# KiCad board video-v10.kicad_pcb (continued)
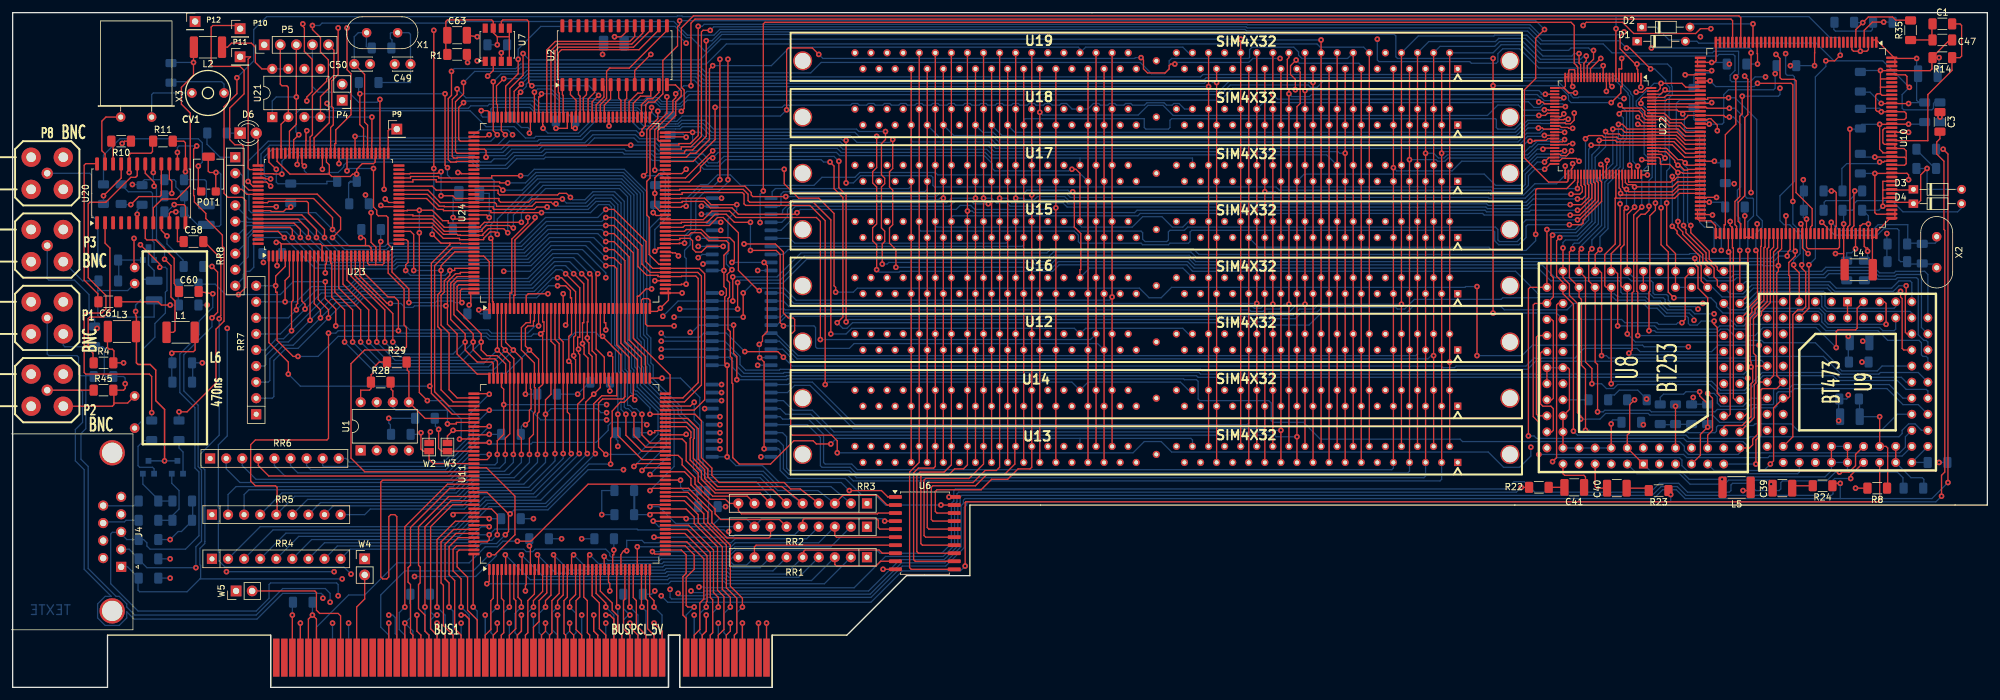
[diagram p0: board, top side]
## Routing (per net, layer and track width the routed paths; a pad name or vN(x,y) marks a point on that pad's centre or on a via; arc(x,y) is an arc through that point) (continued)
/DQ21: length 84.6
  top_copper w0.2: 85.06,49.35 85.06,46.33 84.2,45.47 v1(84.2,43.18) v1(84.2,36.83)
  In2.Cu w0.2: v1(93.85,43.43) 94.62,43.43 95.25,44.07 v1(109.35,44.07)
  Bottom w0.2: v1(84.2,43.18) 85.09,44.07 92.33,44.07 92.96,43.43 v1(93.85,43.43) ; 110.36,44.07 v1(109.35,44.07) ; v1(84.2,36.83) 84.2,35.56 80.77,32.13 73.03,32.13 70.61,29.72 46.61,29.72 RR5.6
/DQ22: length 104.6
  top_copper w0.2: v1(90.81,36.96) 90.55,37.21 90.55,45.08 v1(91.82,46.35) 92.86,47.4 92.86,49.35
  In2.Cu w0.2: v1(112.01,45.34) 112.78,45.34 113.03,45.59 113.03,48.39 112.78,48.64 105.16,48.64 104.01,49.78 93.09,49.78 92.84,49.53 92.84,47.37 v1(91.82,46.35)
  Bottom w0.2: 110.36,45.34 v1(112.01,45.34) ; v1(90.81,36.96) 83.44,29.59 74.8,29.59 70.1,24.89 41.15,24.89 RR4.3
/DQ23: length 91.7
  top_copper w0.2: 98.04,46.1 98.07,46.13 98.07,49.35 ; 98.04,46.1 98.04,45.85 98.3,45.59 v1(98.3,45.47) ; 98.04,46.1 97.66,46.1 96.65,45.08 96.01,45.08 94.74,43.69 94.74,39.62 94.49,39.37 v1(94.49,35.31)
  In2.Cu w0.2: v1(112.01,46.61) 99.95,46.61 98.81,45.47 v1(98.3,45.47)
  Bottom w0.2: v1(94.49,35.31) 91.06,35.31 84.33,28.57 75.31,28.57 70.61,23.88 45.21,23.88 RR4.5 ; 110.36,46.61 v1(112.01,46.61)
/DQ24: length 49.1
  top_copper w0.2: 139.32,28.83 138.18,28.83 136.65,30.35 131.19,30.35 RR3.3 ; 103.58,44.48 107.09,44.48 v1(107.7,45.08)
  Bottom w0.2: RR3.3 127.25,31.11 120.9,31.11 118.36,33.66 109.73,33.66 108.59,34.8 108.59,41.4 107.7,42.29 v1(107.7,45.08)
/DQ25: length 41.4
  top_copper w0.2: 139.32,27.56 136.78,27.56 136.65,27.43 115.19,27.43 114.68,27.94 RR3.9 113.28,29.08 112.65,29.72 110.24,29.72 107.82,32.13 107.82,33.15 105.79,35.18 105.79,36.07 105.16,36.68 103.58,36.68
/DQ26: length 44.5
  top_copper w0.2: 103.58,28.88 100.71,28.88 v1(100.71,28.57) ; 139.32,26.29 v1(137.8,26.29)
  Bottom w0.2: v1(137.8,26.29) 137.41,26.67 118.36,26.67 RR2.8 115.95,26.67 111.63,26.67 110.87,25.91 104.78,25.91 102.11,28.57 v1(100.71,28.57)
/DQ27: length 43.4
  top_copper w0.2: 139.32,25.02 137.03,25.02 136.78,25.27 136.78,26.42 136.53,26.67 125.09,26.67 124.84,26.42 RR2.5 ; v1(101.35,23.75) 101.35,23.67 103.58,23.67
  Bottom w0.2: v1(101.35,23.75) 113.79,23.75 114.17,24.13 123.57,24.13 RR2.5
/DQ28: length 47.5
  top_copper w0.2: RR2.3 129.92,24 130.18,23.75 139.32,23.75 ; 98.7,18.16 v1(98.7,22.22)
  Bottom w0.2: v1(98.7,22.22) 113.54,22.22 114.17,22.86 127.38,22.86 RR2.3
/DQ29: length 54.3
  top_copper w0.2: v1(91.19,20.95) 90.91,20.95 90.91,18.16 ; RR1.8 117.22,22.22 117.47,22.48 139.32,22.48
  Bottom w0.2: RR1.8 116,19.35 113.94,19.35 113.49,19.81 102.87,19.81 102.62,19.56 92.58,19.56 v1(91.19,20.95)
/DQ30: length 63.1
  top_copper w0.2: RR1.5 124.97,20.7 124.97,21.46 125.22,21.72 136.91,21.72 137.41,21.21 139.32,21.21 ; 83.11,18.16 83.11,20.95 v1(82.93,20.95)
  Bottom w0.2: RR1.5 122.17,17.91 113.28,17.91 112.9,18.29 103.38,18.29 103.12,18.03 85.85,18.03 v1(82.93,20.95)
/DQ31: length 69.3
  top_copper w0.2: RR1.3 129.92,19.43 130.18,19.18 136.4,19.18 137.16,19.94 139.32,19.94 ; v1(77.85,20.95) 77.9,20.95 77.9,18.16
  Bottom w0.2: v1(77.85,20.95) 81.79,17.02 103.5,17.02 103.76,17.27 112.52,17.27 112.9,16.89 126.24,16.89 RR1.3
/ESVIDEO-RVB/OE_RVB-: length 68.6
  top_copper w0.2: v1(243.33,35.69) 243.97,36.32 243.97,60.45 244.22,60.71 U8.57
  Bottom w0.2: U9.29 282.32,34.04 282.07,33.78 265.05,33.78 263.78,35.05 263.78,35.94 263.4,36.32 243.97,36.32 v1(243.33,35.69)
/ESVIDEO-RVB/REF+: length 32.9
  top_copper w0.2: U8.82 v1(252.6,41.66) ; U8.65 245.75,50.55 246,50.29 246,43.94 U8.71 U8.73 U8.76 ; U8.66 U8.64
  Bottom w0.2: U8.82 U8.80 U8.78 U8.76 ; v1(252.6,41.66) 252.6,42.04 252.86,42.29 254.13,42.29 254.13,41.91 ; U8.64 U8.65
/ESVIDEO-RVB/VAA: length 119.4
  top_copper w0.2: U9.34 U9.33 ; U8.44 U8.43 ; U9.1 U9.2 ; U8.1 U8.84 255.14,39.88 255.52,40.26 255.52,44.7 v1(256.29,45.47) ; v1(270.13,32.89) 270.13,31.62 ; U9.36 U9.35
  In2.Cu w0.2: U8.44 257.68,51.18 256.29,49.78 v1(256.29,45.47) ; U9.34 287.4,41.91 287.66,42.16 v1(288.54,42.16) ; U9.2 289.94,55.63 v1(290.07,55.5) v1(290.07,46.23)
  Bottom w0.2: U8.1 258.7,34.29 263.53,34.29 264.92,32.89 v1(270.13,32.89) 270.51,33.27 286.38,33.27 287.4,34.29 U9.33 U9.35 289.94,34.29 290.19,34.04 297.81,34.04 298.7,33.15 298.7,31.5 ; 255.02,45.47 v1(256.29,45.47) ; 290.07,51.43 v1(290.07,55.5) ; U9.34 U9.36 ; v1(288.54,42.16) 288.54,45.59 289.81,45.59 290.07,45.85 v1(290.07,46.23)
/F_PALIN: length 250.9
  top_copper w0.2: v1(113.03,80.26) v1(113.03,99.31) ; v1(106.43,63.75) 105.66,63.75 105.66,63.65 103.58,63.65 ; v1(278.64,100.08) 279.27,99.44 279.27,96.39 279.53,96.14 281.56,96.14 281.81,95.88 281.81,78.23 284.35,75.69 284.35,73.02 284.1,72.77 284.1,71.25
  In1.Cu w0.2: v1(278.64,100.08) 278.64,104.52 277.5,105.66 247.01,105.66 246.63,105.28 114.68,105.28 114.3,104.9 114.3,100.58 v1(113.03,99.31)
  Bottom w0.2: v1(106.43,63.75) 106.43,67.82 106.17,68.07 106.17,69.09 107.06,69.98 107.06,71.37 107.95,72.26 107.95,76.96 109.35,78.36 111.51,78.36 113.03,79.88 v1(113.03,80.26)
/graphic/14MHZOUT: length 30.5
  top_copper w0.2: 91.57,90.63 91.57,92.58 v1(92.58,93.6) ; 77.22,104.27 77.22,105.28 77.47,105.54 81.28,105.54 81.53,105.28 81.53,95.63 v1(82.04,95.12)
  Bottom w0.2: v1(82.04,95.12) 91.06,95.12 v1(92.58,93.6)
/graphic/CCLK: length 18.7
  top_copper w0.2: 42.44,84.33 42.44,85.54 42.42,85.57 42.42,89.03 U21.2 43.56,94.87 43.31,95.12 42.54,95.12 42.29,95.38 P5.2
/graphic/CLK10MHz: length 67
  top_copper w0.2: v1(68.71,82.17) 68.33,82.55 v1(68.33,93.85) ; 55.45,84.33 55.45,88.39 54.86,88.98 v1(54.86,93.85) ; v1(75.56,70.99) 75.82,70.74 75.82,60.96 75.95,60.96 75.95,59.44
  Bottom w0.2: v1(68.33,93.85) v1(54.86,93.85) 54.67,94.05 54.67,95.63 ; v1(75.56,70.99) 75.56,73.15 76.07,73.66 76.07,80.14 75.82,80.39 69.34,80.39 68.71,81.03 v1(68.71,82.17)
/graphic/CSIO-: length 43.6
  top_copper w0.2: 72.39,62.99 70.99,62.99 70.74,62.74 70.74,61.09 v1(70.99,60.83) ; v1(52.83,81.66) 52.83,84.33 ; v1(57.02,82.04) 57.02,75.95 57.53,75.44 57.53,74.8 57.79,74.55 59.05,74.55 59.31,74.29 59.31,70.1 59.94,69.47 59.94,65.66 62.61,62.99 v1(62.61,60.83)
  Bottom w0.2: v1(70.99,60.83) 69.85,60.83 69.6,61.09 67.06,61.09 66.8,60.83 v1(62.61,60.83) ; v1(57.02,82.04) 53.21,82.04 v1(52.83,81.66)
/graphic/DIN: length 24.3
  top_copper w0.2: P5.3 v1(44.83,93.34) 44.83,89.03 43.74,87.93 43.74,84.33
  Bottom w0.2: v1(44.83,93.34) 41.66,93.34 41.02,92.71 U21.1
/graphic/DONE: length 27.1
  top_copper w0.2: 58.04,84.33 v1(58.04,92.96)
  Bottom w0.2: P5.4 47.37,95 48.26,94.11 53.09,94.11 54.67,92.52 57.59,92.52 v1(58.04,92.96)
/graphic/HDOUT: length 49.1
  top_copper w0.2: v1(73.41,99.06) 74.55,99.06 74.68,98.93 ; 79.2,59.44 79.2,61.98 79.38,61.98 79.38,70.74 82.55,73.91 v1(82.55,74.29)
  In2.Cu w0.2: v1(73.41,99.06) 73.41,98.43 74.05,97.79 78.87,97.79 79.5,97.15 79.5,93.34 82.55,90.3 v1(82.55,74.29)
/graphic/HDREFOUT: length 46.4
  top_copper w0.2: v1(81.41,74.29) 81.41,73.41 78.87,70.87 78.87,62.36 78.56,62.36 78.56,59.44 ; v1(75.06,96.65) 75.95,97.53 U7.2
  In2.Cu w0.2: v1(75.06,96.65) 75.5,97.09 78.3,97.09 78.99,96.39 78.99,93.22 80.39,91.82 80.39,85.47 81.41,84.45 v1(81.41,74.29)
/graphic/IA0: length 5.2
  top_copper w0.2: 93.22,95.25 93.44,95.03 93.44,93.33 92.2,92.1 92.2,90.63
/graphic/IA1: length 5
  top_copper w0.2: 93.5,90.63 93.5,92.07 94.49,93.07 94.49,95.25
/graphic/IA2: length 4.8
  top_copper w0.2: 96.11,90.63 96.11,92.84 95.76,93.19 95.76,95.25
/graphic/IA3: length 4.7
  top_copper w0.2: 97.03,95.25 97.03,93.12 96.75,92.84 96.75,90.63
/graphic/IA4: length 5.9
  top_copper w0.2: 99.57,95.25 99.57,94.05 99.47,93.95 98.77,93.95 97.41,92.58 97.41,90.63
/graphic/IA5: length 6.7
  top_copper w0.2: 100.84,95.25 100.84,93.47 99.19,93.47 98.07,92.35 98.07,90.63
/graphic/IA6: length 6.2
  top_copper w0.2: 102.11,95.25 102.11,94.05 101.13,93.07 100.31,93.07 99.36,92.13 99.36,90.63
/graphic/IA7: length 13.9
  top_copper w0.2: 103.58,86.41 102.11,86.41 101.96,86.56 101.96,88.03 102.45,88.52 102.87,88.52 104.78,90.42 104.78,92.62 105.65,93.49 105.65,94.34 104.74,95.25 104.74,95.25 103.38,95.25
/graphic/IA8: length 20.2
  top_copper w0.2: 103.38,104.65 103.38,103.84 97.45,97.92 94.36,97.92 93.85,97.41 93.85,93.14 92.86,92.14 92.86,90.63
/graphic/IA9: length 5
  top_copper w0.2: 90.91,90.63 90.93,91.06 90.93,93.03 91.95,94.05 91.95,95.25
/graphic/ICAS-: length 27.2
  top_copper w0.2: 100.84,104.65 100.84,103.95 98.11,101.22 86.31,101.22 85.7,100.61 85.7,90.63
/graphic/ID0: length 4.7
  top_copper w0.2: 87,90.63 87,93.6 86.87,93.73 86.87,95.25
/graphic/ID1: length 5
  top_copper w0.2: 88.95,90.63 89.03,91.06 89.03,92.84 88.14,93.73 88.14,95.25
/graphic/ID2: length 26.9
  top_copper w0.2: 99.57,104.65 99.57,103.45 97.84,101.72 86.1,101.72 85.06,100.69 85.06,90.63
/graphic/ID3: length 26.7
  top_copper w0.2: 98.3,104.65 98.3,102.91 97.51,102.12 85.74,102.12 84.4,100.79 84.4,90.63
/graphic/IOE-: length 27.8
  top_copper w0.2: 86.36,90.63 86.36,93.95 86.23,94.07 86.23,100.33 86.72,100.82 98.98,100.82 102.11,103.95 102.11,104.65
/graphic/IRAS-: length 4.8
  top_copper w0.2: 90.25,90.63 90.17,91.44 90.17,93.22 90.68,93.73 90.68,95.25
/graphic/IWR-: length 4.7
  top_copper w0.2: 89.61,90.63 89.66,91.06 89.66,93.47 89.41,93.73 89.41,95.25
/graphic/LED: length 5.2
  top_copper w0.2: 38.76,82.5 38.76,87.35 D6.2
/graphic/PROG*: length 29.2
  top_copper w0.2: U21.4 48.64,93.4 50.02,94.78 50.02,96.05 50.76,96.79 50.76,100.75 P5.5 ; v1(56.77,90.17) 56.77,86.36 56.74,86.33 56.74,84.33
  Bottom w0.2: U21.3 U21.4 v1(56.77,90.17)
/graphic/RESERV1: length 83.3
  top_copper w0.2: v1(54.1,87.12) 54.1,84.33 54.15,84.33 ; 103.58,64.29 v1(101.47,64.29)
  In2.Cu w0.2: v1(78.99,87.38) 79.38,87.25 79.38,74.68 77.47,72.77 77.47,70.99 77.6,70.87 v1(77.6,65.79) ; v1(101.47,64.29) 100.33,64.29 98.93,62.89 93.98,62.89 93.73,63.14 v1(93.73,64.77)
  Bottom w0.2: v1(77.6,65.79) 81.79,65.79 85.22,69.21 90.04,69.21 93.73,65.53 v1(93.73,64.77) ; v1(78.99,87.38) 78.23,88.14 73.79,88.14 72.26,86.87 56.01,86.87 55.75,87.12 v1(54.1,87.12)
/graphic/VOSC: length 25.7
  top_copper w0.2: 76.58,102.87 78.49,102.87 ; 76.58,102.87 75.95,103.5 U7.7 ; 76.58,102.87 v1(76.58,101.6) ; 75.95,104.27 75.95,105.28 75.69,105.54 68.71,105.54 68.45,105.28 68.45,100.46 68.58,100.08 ; 78.49,98.93 78.49,104.27
  Bottom w0.2: 74.93,101.6 v1(76.58,101.6)
/graphic/X_DIN: length 51.4
  top_copper w0.2: v1(77.85,87.38) 77.22,88.01 77.22,90.55 ; v1(40.77,79.25) 40.13,79.88 39.12,79.88 38.86,79.91
  Bottom w0.2: v1(40.77,79.25) 39.24,80.77 39.24,84.33 40.64,85.72 76.58,85.72 77.85,86.99 v1(77.85,87.38)
/graphic/XTAL_I: length 24.7
  top_copper w0.2: C50.1 55.61,96.92 55.61,89.37 56.08,88.9 56.08,84.33
  Bottom w0.2: C50.1 53.98,102.87 54.61,103.5 X1.2 55.88,101.35 56.13,101.09 56.64,101.09
/GREEN_IN: length 424.5
  top_copper w0.2: v1(304.8,30.23) 304.8,33.53 305.31,34.04 305.31,72.26 305.18,72.39 305.18,83.18 304.04,84.33 304.04,86.23 304.55,86.74 304.55,87.76 ; v1(262,30.48) 262,31.11 261.75,31.11 ; P2.1 12.7,46.99
  In2.Cu w0.2: v1(103.89,15.49) 102.87,16.51 76.58,16.51 75.69,15.62 52.71,15.62 52.2,16.13 49.15,16.13 49.02,16 v1(49.02,14.1)
  Bottom w0.2: v1(304.8,30.23) 303.91,29.34 262,29.34 ; 262,29.34 v1(262,30.48) ; 262,29.34 151,29.34 150.75,29.08 150.75,28.83 150.37,28.45 150.37,22.1 147.45,19.18 140.59,19.18 135.64,14.22 109.73,14.22 109.47,13.97 104.14,13.97 103.89,14.22 v1(103.89,15.49) ; P2.1 10.79,46.99 11.05,46.74 11.05,41.91 9.91,40.77 9.91,35.81 11.3,34.42 11.3,18.67 15.58,14.39 14.62,14.39 13.42,13.19 13.42,10.99 14.62,9.79 16.83,9.79 18.03,10.99 18.03,11.95 19.18,10.79 38.61,10.79 42.67,14.86 48.77,14.86 49.02,14.6 v1(49.02,14.1)
/GREEN_OUT: length 355.9
  top_copper w0.2: v1(31.5,58.42) 32.38,59.31 32.38,65.66 v1(31.5,66.55) ; U9.38 291.21,36.83 291.21,35.05 290.19,34.04 v1(288.67,34.04)
  In2.Cu w0.2: v1(63.5,17.53) 60.83,17.53 56.77,21.59 54.23,21.59 54.1,21.46 54.1,19.69 53.47,19.05 52.71,19.05 51.94,18.29 v1(50.8,18.29) ; v1(33.78,18.29) 29.59,18.29 v1(28.96,18.92)
  Bottom w0.2: v1(63.5,17.53) 73.15,17.53 76.45,20.83 76.45,21.21 77.09,21.84 80.77,21.84 81.15,21.46 82.17,21.46 82.55,21.84 93.73,21.84 94.36,21.21 94.36,20.83 94.62,20.57 101.98,20.57 102.24,20.83 113.31,20.83 114.2,21.72 136.53,21.72 137.03,21.21 146.81,21.21 148.34,22.73 148.34,29.08 148.72,29.46 148.72,31.11 148.97,31.37 236.09,31.37 237.24,32.51 238.89,32.51 240.54,30.86 258.83,30.86 260.22,32.26 263.27,32.26 264.67,30.86 271.27,30.86 271.53,31.11 271.53,32 271.78,32.26 274.95,32.26 275.21,32 275.21,31.37 275.46,31.11 279.15,31.11 279.4,31.37 279.4,32.38 279.65,32.64 286.64,32.64 288.04,34.04 v1(288.67,34.04) ; v1(31.5,58.42) 31.5,57.02 27.05,52.58 27.05,46.86 29.31,44.61 29.31,34.89 29.84,34.36 29.84,23.11 28.96,22.22 v1(28.96,18.92) 21.21,18.92 19.81,20.32 19.94,20.32 18.41,21.84 16.89,21.84 ; v1(50.8,18.29) v1(33.78,18.29) ; 30.23,66.55 v1(31.5,66.55)
/HD_PAL-: length 212
  top_copper w0.2: v1(104.77,93.85) 104.77,93.22 104.33,92.78 104.33,91.02 101.47,88.16 v1(101.47,81.79) ; v1(101.47,68.96) 101.6,68.96 101.98,69.34 101.98,69.49 103.58,69.49 ; v1(107.19,95.12) 107.19,105.03 107.82,105.66 271.53,105.66 271.78,105.41 271.78,102.36 271.75,102.36
  Bottom w0.2: v1(104.77,93.85) 106.05,95.12 v1(107.19,95.12) ; v1(101.47,68.96) 101.47,72.39 103.63,74.55 103.63,80.77 102.62,81.79 v1(101.47,81.79)
/IRQ-: length 33.5
  top_copper w0.2: 72.39,44.48 68.94,44.48 66.68,46.74 66.68,66.67 69.49,69.49 72.39,69.49
/IRQ_SRL: length 105
  top_copper w0.2: RR2.7 119.76,23.88 119.51,23.62 112.9,23.62 110.49,26.03 110.49,27.79 106.81,31.47 101.07,31.47 v1(100.71,31.11) ; v1(77.47,78.61) 76.84,79.25 72.39,79.25
  Bottom w0.2: v1(100.71,31.11) 104.52,34.92 104.52,43.94 100.2,48.26 100.2,50.67 99.82,51.05 99.82,54.86 99.19,55.5 99.19,78.1 96.39,80.9 82.8,80.9 80.52,78.61 v1(77.47,78.61)
/modul/CHROM: length 54.8
  top_copper w0.2: 26.04,82.93 v1(26.04,84.58) ; v1(26.29,43.56) 27.56,43.56 32.13,48.13 32.13,56.64 33.4,57.91 33.4,69.47 33.15,69.72 33.15,71.5 30.53,74.12 30.53,74.93 28.72,76.74 28.72,77.68 28.59,77.8 28.59,85.11 v1(29.08,85.6)
  Bottom w0.2: v1(26.04,84.58) 26.04,85.34 26.29,85.6 v1(29.08,85.6) ; v1(26.29,43.56) 26.29,42.29
/modul/CVBS: length 12.1
  top_copper w0.2: v1(18.67,76.33) 19.94,77.6 23.24,77.6 23.49,77.85 23.49,82.93
  Bottom w0.2: v1(18.67,76.33) 17.15,76.33
/modul/CVBSOUT: length 21
  Bottom w0.2: 13.46,67.56 13.46,73.66 12.45,74.68 12.45,81.03 12.19,81.28 P8.1
/modul/LUM: length 60.1
  top_copper w0.2: 19.68,82.93 19.68,80.9 19.43,80.64 18.67,80.64 14.73,76.71 12.19,76.71 11.94,76.45 11.94,64.77 14.73,61.98 14.73,59.82 14.1,59.18 11.56,59.18 11.3,58.93 11.3,49.78 11.56,49.53 21.59,49.53 21.97,49.15 v1(21.97,43.43)
  Bottom w0.2: 21.97,42.29 v1(21.97,43.43)
/MXA0: length 227.6
  top_copper w0.2: 72.39,83.16 70.1,83.16 70.1,83.06 69.22,83.06 68.83,83.44 68.83,93.09 69.34,93.6 v1(69.34,97.39) ; U19.12 U18.12 U15.12 U16.12 U12.12 U14.12 U13.12
  Bottom w0.2: U19.12 213.49,101.22 206.63,101.22 206.12,101.73 112.78,101.73 109.6,98.55 80.22,98.55 79.51,97.84 69.79,97.84 v1(69.34,97.39)
/MXA1: length 228.1
  top_copper w0.2: v1(70.23,94.61) 70.23,93.73 69.47,92.96 69.47,83.95 69.72,83.69 70.23,83.69 70.23,83.79 72.39,83.79 ; v1(202.69,94.49) 202.69,96.14 201.93,96.9 201.93,98.3 v1(202.82,99.19) ; U19.13 U18.13 U17.13 U15.13 U16.13 U14.13 213.11,35.56
  Bottom w0.2: v1(202.82,99.19) 203.33,98.68 212.73,98.68 213.11,98.3 U19.13 ; v1(202.69,94.49) 202.44,94.74 192.79,94.74 190.88,92.84 106.62,92.84 105.6,91.82 102.28,91.82 101.66,92.44 100.48,92.44 100.09,92.05 91.7,92.05 91.47,92.28 86.28,92.28 86.26,92.31 83.33,92.31 82.42,93.22 71.63,93.22 v1(70.23,94.61)
/MXA2: length 224.2
  top_copper w0.2: U19.14 U18.14 U15.14 U16.14 U12.14 U14.14 U13.14 ; 72.39,84.45 70.23,84.45 69.98,84.71 69.98,92.58 71.25,93.85 v1(71.25,95.63)
  Bottom w0.2: U19.14 210.95,99.44 203.71,99.44 203.2,99.95 203.2,100.46 202.44,101.22 195.83,101.22 195.45,100.84 195.45,99.57 195.33,99.44 183.13,99.44 182.75,99.06 182.75,97.79 181.99,97.03 179.96,97.03 178.18,98.81 127.76,98.81 126.11,97.15 109.6,97.15 108.71,98.04 80.28,98.04 79.63,97.39 73.01,97.39 v1(71.25,95.63)
/MXA3: length 204.4
  top_copper w0.2: U19.15 U18.15 v1(210.57,84.45) U17.15 U15.15 U16.15 U14.15 210.57,35.56 ; 72.39,85.09 74.55,85.09 74.8,84.84 v1(74.8,83.82)
  Bottom w0.2: v1(74.8,83.82) 75.06,84.07 77.85,84.07 78.87,85.09 83.19,85.09 83.69,85.6 90.68,85.6 91.95,86.87 98.17,86.87 98.81,86.23 101.47,86.23 102.24,85.47 107.82,85.47 108.59,86.23 130.81,86.23 131.32,85.72 154.05,85.72 155.07,84.71 209.42,84.71 209.68,84.45 v1(210.57,84.45)
/MXA4: length 201.2
  top_copper w0.2: v1(97.66,85.72) 72.39,85.72 ; U19.16 U18.16 U15.16 U16.16 U12.16 U14.16 U13.16
  Bottom w0.2: 209.3,82.55 207.64,84.2 154.81,84.2 153.92,85.09 131.19,85.09 130.56,85.72 109.09,85.72 108.2,84.84 102.11,84.84 101.22,85.72 v1(97.66,85.72)
/MXA5: length 226.7
  top_copper w0.2: U19.17 U18.17 U17.17 U15.17 U16.17 U14.17 208.03,35.56 ; v1(71.25,92.46) 70.48,91.69 70.48,86.61 70.74,86.36 72.39,86.36 ; v1(178.31,99.57) 178.69,99.19 178.69,97.79 179.32,97.15 182.12,97.15 182.75,97.79 182.75,98.3 183.01,98.55 v1(183.64,98.55) ; v1(122.3,91.31) 122.3,100.84 122.56,101.09 126.37,101.09 v1(127.38,100.08)
  In2.Cu w0.2: v1(200.28,99.44) 200.66,99.82 200.66,100.97 200.91,101.22 202.44,101.22 203.2,100.46 203.2,99.95 203.71,99.44 207.77,99.44 208.03,99.19 U19.17
  Bottom w0.2: v1(127.38,100.08) 128.02,99.44 177.29,99.44 177.42,99.57 v1(178.31,99.57) ; v1(183.64,98.55) 183.9,98.81 195.33,98.81 195.96,99.44 v1(200.28,99.44) ; v1(71.25,92.46) 71.5,92.71 82.17,92.71 83.06,91.82 91.36,91.82 91.54,91.64 98.75,91.64 100.9,89.5 104.57,89.5 104.96,89.5 105.79,90.33 121.32,90.33 v1(122.3,91.31)
/MXA6: length 206.8
  top_copper w0.2: U13.18 U14.18 U12.18 U16.18 U15.18 U18.18 U19.18 v1(206.76,102.36) ; v1(79.88,99.31) 79.88,97.03 77.9,95.05 77.9,90.63
  Bottom w0.2: v1(206.76,102.36) 195.28,102.36 194.41,103.23 112.07,103.23 109.41,100.58 107.28,102.72 106.46,102.72 104.68,104.5 83.46,104.5 79.88,100.92 v1(79.88,99.31)
/MXA7: length 190
  top_copper w0.2: U13.28 U14.28 U12.28 U16.28 U15.28 U18.28 U19.28 v1(194.06,102.49) ; v1(80.65,100.21) 80.65,96.78 78.56,94.69 78.56,90.63
  Bottom w0.2: v1(80.65,100.21) 81.66,99.2 108.6,99.2 111.89,102.49 v1(194.06,102.49)
/MXA8: length 178.5
  top_copper w0.2: U19.31 v1(190.25,95.63) U18.31 U17.31 U15.31 U16.31 U14.31 190.25,35.56 ; v1(80.39,95.38) 79.25,94.23 79.25,90.68 79.2,90.63
  Bottom w0.2: v1(190.25,95.63) 189.62,95.63 189.36,95.88 188.72,95.88 188.34,95.5 108.97,95.5 107.95,96.52 81.53,96.52 v1(80.39,95.38)
/MXA9: length 176
  top_copper w0.2: U19.32 v1(188.98,95) U18.32 U15.32 U16.32 U12.32 U14.32 U13.32 ; 79.86,90.63 79.88,90.68 79.88,93.73 v1(80.26,94.11)
  Bottom w0.2: v1(80.26,94.11) 81.15,95 81.15,95.38 81.79,96.01 107.7,96.01 108.71,95 v1(188.98,95)
/MXA10: length 191.6
  top_copper w0.2: U19.19 v1(205.49,95.63) U18.19 U17.19 U15.19 U16.19 U14.19 205.49,35.56 ; 82.45,90.63 v1(82.45,94.11)
  Bottom w0.2: v1(82.45,94.11) 82.96,94.61 85.09,94.61 86.61,93.09 91.99,93.09 92.22,92.85 99.76,92.85 100.15,93.24 102,93.24 102.61,92.63 104.95,92.63 106.55,94.23 190.63,94.23 192.28,95.88 204.6,95.88 204.86,95.63 v1(205.49,95.63)
/OE_PAL-: length 76.5
  top_copper w0.2: 266.24,95.55 266.24,95.88 ; 266.24,95.88 266.24,96.19 ; 266.24,95.88 v1(268.22,95.88) ; v1(282.7,66.8) 282.7,66.29 283.34,65.66 283.34,60.2 282.83,59.69 282.07,59.69 281.31,58.93 281.31,39.62 U9.28 ; v1(275.72,95.5) 281.05,95.5 281.31,95.25 v1(281.31,76.83)
  Bottom w0.2: v1(268.22,95.88) 269.11,95 275.21,95 v1(275.72,95.5) ; v1(282.7,66.8) 282.96,67.06 282.96,71.63 281.31,73.28 v1(281.31,76.83)
/pal-ntsc.sch/C-VIDEO: length 20.2
  top_copper w0.2: 297.43,76.68 300.15,76.68 D4.1 301.01,76.48 301.5,76.96 301.5,81.03 v1(302.51,82.04)
  Bottom w0.2: 300.74,82.04 v1(302.51,82.04) 302.51,78.99 302.77,78.74 D3.2
/pal-ntsc.sch/VAF: length 147.1
  top_copper w0.2: 269.82,102.36 269.16,102.36 269.16,99.06 268.91,98.81 v1(268.48,98.81) 266.24,98.81 ; v1(299.59,92.3) 295.28,92.3 v1(295.28,92.33) ; v1(268.61,74.68) 268.61,74.75 266.24,74.75 ; 297.43,87.1 297.43,87.76 v1(299.59,87.76) ; 266.24,74.75 266.24,75.39 ; 266.24,74.75 266.24,74.09 266.57,73.76 268.35,73.76 269.09,73.02 269.09,71.25 269.11,71.25 269.16,71.17 269.82,71.17 ; 297.43,74.75 297.43,75.39 ; 297.43,74.75 297.43,74.04 296.55,74.04 294.51,72.01 294.51,71.17 293.88,71.17 293.88,66.17 294,66.04 ; 297.43,74.75 296.93,74.8 294.51,74.8 294.26,75.06 v1(294.26,81.25) 297.43,81.25 297.43,81.28 299.34,81.28 299.59,81.03 v1(299.59,80.26) ; 297.43,99.44 v1(300.86,99.44) ; 297.43,99.44 297.43,98.15 ; 297.43,99.44 294.51,102.36 293.88,102.36 ; 266.24,98.81 266.24,98.15 ; 266.24,98.81 266.24,99.44
  In2.Cu w0.2: v1(271.27,98.55) 271.27,96.27 272.03,95.5 272.03,92.33 ; 272.03,92.33 v1(295.28,92.33) ; 272.03,92.33 v1(272.03,79.63) 272.03,75.18 271.53,74.68 v1(268.61,74.68) ; v1(299.59,80.26) v1(299.59,87.76) 300.2,87.76 300.46,88.01 300.46,91.44 v1(299.59,92.3)
  Bottom w0.2: v1(272.03,79.63) 270.64,79.63 ; v1(271.27,98.55) 270.76,98.55 270.76,98.81 v1(268.48,98.81) ; v1(299.59,92.3) 299.75,92.46 302.01,92.46 302.13,92.58 301.12,92.58 300.86,92.84 v1(300.86,99.44) ; v1(295.28,92.33) 293.5,94.11 291.97,94.11 ; v1(294.26,81.25) C12.1
/pal-ntsc.sch/Y-VIDEO: length 61
  top_copper w0.2: v1(299.72,94.87) 299.34,95.25 299.34,96.6 299.08,96.85 297.43,96.85
  Bottom w0.2: 304.55,92.58 303.78,92.58 303.53,92.33 303.53,91.57 303.28,91.31 298.83,91.31 298.58,91.57 298.58,93.73 v1(299.72,94.87) 295.53,99.06 287.78,99.06 284.99,101.85 266.45,101.85 266.14,102.16 D1.2 264.12,102.36 261.75,102.36 259.72,104.39 D2.1
/pal-ntsc.sch/Y_SYNC: length 12.6
  top_copper w0.2: 291.26,102.36 291.26,104.01 v1(292.35,105.11) 293.24,105.99 297.05,105.99 297.55,105.49 299.91,105.49
  Bottom w0.2: 291.08,105.16 291.47,105.11 v1(292.35,105.11)
/PCA0: length 326.1
  top_copper w0.2: 271.4,68.83 271.4,69.09 271.27,69.21 271.12,69.21 271.12,71.17 ; 271.4,68.83 v1(271.14,68.83) ; 271.4,68.83 271.4,43.18 271.14,42.93 U8.17 ; v1(51.43,104.27) 51.43,96.9 50.42,95.88 50.42,91.87 50.67,91.61 50.67,88.95 50.24,88.52 50.24,84.33
  In1.Cu w0.2: v1(51.43,104.27) 52.58,105.41 104.01,105.41 105.16,104.27 107.31,104.27 108.59,103 108.59,101.6 109.09,101.09 109.09,97.92 109.73,97.28 112.65,97.28 115.19,99.82 115.19,104.39 115.44,104.65 240.28,104.65 241.81,103.12 248.67,103.12 250.57,105.03 255.4,105.03 256.03,104.39 256.03,103.63 256.29,103.38 266.19,103.38 v1(266.7,102.87)
  In2.Cu w0.2: v1(271.14,68.83) 271.14,72.14 270.13,73.15 267.33,73.15 266.32,74.17 266.32,101.98 266.7,102.36 v1(266.7,102.87) ; U9.24 276.35,40.64 275.84,41.15 274.19,41.15 273.81,41.53 271.78,41.53 U8.17
/PCA1: length 315.8
  top_copper w0.2: 50.9,84.33 50.9,85.98 51.05,85.98 51.05,88.14 53.47,90.55 53.47,97.03 52.83,97.66 v1(52.83,104.27) ; U8.18 272.16,45.47 271.91,45.72 271.91,69.47 271.75,69.47 271.75,72.77 271.65,72.77 271.4,73.02 v1(271.4,73.66)
  In2.Cu w0.2: v1(271.4,73.66) 267.72,73.66 267.08,74.29 267.08,100.97 267.84,101.73 267.84,103.12 267.21,103.76 267.21,105.41 266.95,105.66 254.89,105.66 254.63,105.41 252.6,105.41 250.32,103.12 241.43,103.12 240.16,104.39 113.16,104.39 111.89,103.12 106.06,103.12 104.68,104.5 103.97,104.5 103.73,104.27 68.71,104.27 67.44,103 65.53,103 65.28,103.25 65.28,104.65 65.21,104.71 53.28,104.71 v1(52.83,104.27) ; U9.25 279.78,41.4 279.53,41.66 276.73,41.66 U8.18
/PCA2: length 281
  top_copper w0.2: v1(51.56,82.8) 51.56,84.2 51.54,84.33 ; U8.19 269.37,46.48 269.37,56.9 268.86,57.4 v1(268.86,57.91) ; v1(130.3,57.66) 131.19,58.55 131.19,77.47 129.79,78.87 129.79,82.42 v1(129.16,83.06)
  In2.Cu w0.2: U9.26 277.24,39.12 276.99,39.37 269.88,39.37 269.24,40 269.24,44.32 U8.19
  Bottom w0.2: v1(51.56,82.8) 51.56,83.31 51.82,83.57 72.64,83.57 73.66,82.55 77.85,82.55 79.38,84.07 83.82,84.07 84.33,84.58 96.39,84.58 96.65,84.33 100.97,84.33 101.47,83.82 108.33,83.82 109.73,82.42 111.63,82.42 112.65,83.44 127.76,83.44 128.14,83.06 v1(129.16,83.06) ; v1(268.86,57.91) 266.83,57.91 266.19,57.28 265.05,57.28 264.8,57.53 264.8,58.42 264.54,58.67 261.11,58.67 259.84,59.94 258.44,59.94 257.68,60.71 246.63,60.71 245.62,59.69 235.71,59.69 235.2,60.2 221.23,60.2 220.22,59.18 206.76,59.18 204.85,57.28 194.69,57.28 194.31,57.66 132.72,57.66 131.83,56.77 131.19,56.77 v1(130.3,57.66)
/PTADR-: length 162.8
  top_copper w0.2: 83.74,55.88 83.74,47.88 83.19,47.37 83.19,43.54 82.93,43.31 v1(82.93,36.83) ; 83.74,55.88 v1(83.44,55.88) ; 83.74,55.88 83.74,56.26 83.95,56.26 83.95,57.78 83.74,57.78 83.74,59.44 ; v1(49.91,56.01) 49.91,39.37 49.66,39.12 38.35,39.12 37.61,38.37 37.61,32.62 38.35,31.88 41.53,31.88 41.78,31.62 41.78,27.43 RR5.5 ; 55.45,68.33 55.45,65.4 55.63,65.4 59.31,61.72 60.32,61.72 60.96,61.09 v1(60.96,56.39)
  Bottom w0.2: v1(83.44,55.88) 82.3,55.88 81.91,55.5 75.44,55.5 74.93,56.01 61.34,56.01 v1(60.96,56.39) 51.43,56.39 51.05,56.01 v1(49.91,56.01) ; v1(82.93,36.83) 82.93,35.56 80.01,32.64 72.77,32.64 70.36,30.23 44.58,30.23 RR5.5
/PTATN-: length 115.9
  top_copper w0.2: 77.24,59.44 77.24,53.95 v1(77.85,53.34) 79.2,51.99 79.2,36.83 v1(79.12,36.83) ; 51.54,68.33 51.54,63.14 54.99,59.69 v1(54.99,54.61)